# Altium PCB TrackingAntennaControllerPCB.PcbDoc (continued)
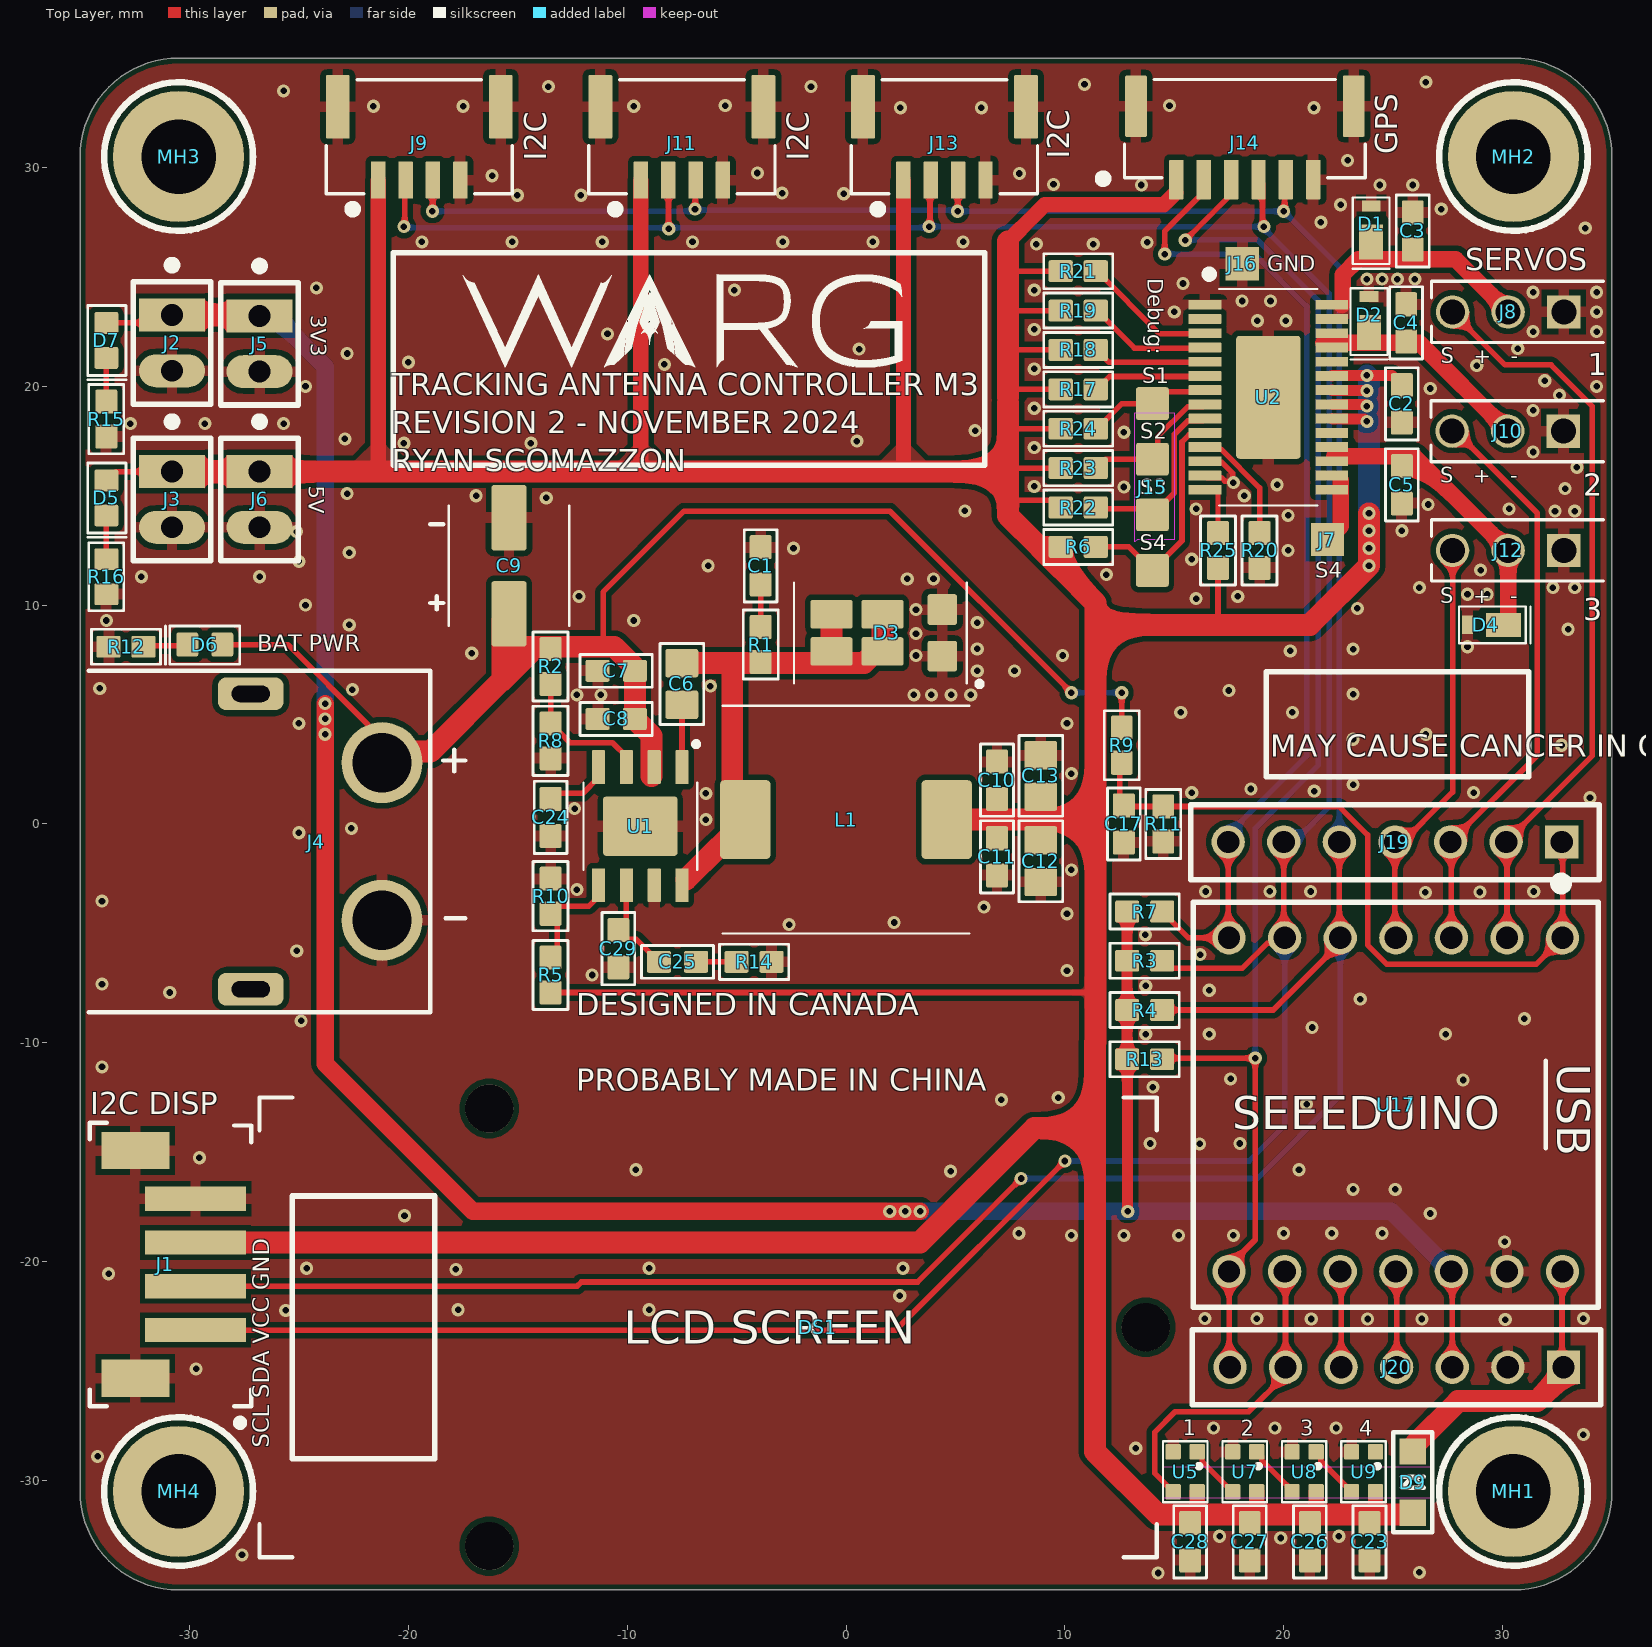
[diagram p0: Top Layer view]
## Footprints (in the part's own frame and the unit in brackets; to place one, negate y for a bottom-side part, rotate by r counter-clockwise, add the part's x,y. Pads: shape width x height; smd on the part's side, far side on the other; paste and mask are expansions set on the pad)
104020208-Footprint-1 [mm]
  round 2.2 hole 2.2 unplated paste-2539.97 mask+0: ""(-10,-10) ""(-10,10) ""(20,0)
  silkscreen extent -20.5,-10.5 20.5,10.5, body extent -20,-10 20,10, height 8.9
114020163-Footprint-1 [mm]
  rect 1.1x4.6 smd: 1(3,0) 2(1,0) 3(-1,0) 4(-3,0)
  rect 1.7x3.1 smd: 5(-5.2,-2.75) 6(5.2,-2.75)
  silkscreen extent -6.48,-4.83 7.37,2.54, body extent -5.97,-4.2 6.03,2.17, height 7.9
7443330470-Footprint-1 [mm]
  rrect15% 2.3x3.6 smd mask+0.05: 1(-4.6,0) 2(4.6,0)
  body extent -5.13,-5 5.13,5, height 9.15
865080642006-Footprint-1 [mm]
  rrect15% 3x1.6 smd mask+0.05: 1(2.2,0) 2(-2.2,0)
  silkscreen extent -2.75,-2.75 2.75,2.75, body extent -2.75,-2.75 2.75,2.75, height 5.5
.CAP_0603-Footprint-1 [mm]
  rrect15% 1.1x1 smd: 1(-0.85,0) 2(0.85,0)
  silkscreen extent -1.65,-0.75 1.65,0.75, body extent -0.87,-0.45 0.87,0.5, height 0.87
.CAP_0805-Footprint-1 [mm]
  rrect15% 1.3x1.5 smd: 1(-0.95,0) 2(0.95,0)
  silkscreen extent -1.85,-1 1.85,1, body extent -1.1,-0.7 1.1,0.75, height 1.39
.LED_0603-Footprint-1 [mm]
  rrect20% 1x1.1 smd: 1(-0.8,0) 2(0.8,0)
  silkscreen extent -1.6,-0.85 1.8,0.9, body extent -0.81,-0.4 0.81,0.4, height 0.6
.RES_0603-Footprint-1#1 [mm]
  rrect15% 1.1x1 smd: 1(-0.8,0) 2(0.8,0)
  silkscreen extent -1.58,-0.8 1.58,0.8, body extent -0.8,-0.4 0.8,0.4, height 0.46
.RES_0603-Footprint-1#2 [mm]
  rrect15% 1x1.1 smd: 1(-0.8,0) 2(0.8,0)
  silkscreen extent -1.55,-0.8 1.55,0.8, body extent -0.8,-0.4 0.8,0.4, height 0.46
.SCHOTTKY-Footprint-1 [mm]
  rect 1.2x1.2 smd: 1(-1.4,0) 2(1.4,0)
  silkscreen extent -2.29,-0.89 2.29,0.89, body extent -1.75,-0.8 1.75,0.8, height 1.03
BLDC_SOLDER_PAD-Footprint-1#1 [mm]
  rect 1.524x1.524 smd: 1(-3.2,-1.5)
BLDC_SOLDER_PAD-Footprint-1#2 [mm]
  rect 1.524x1.524 smd: 1(0,0)
BM06B-GHS-TBT-Footprint-1 [mil]
  rrect10% 26x71 smd paste+0: 1(123.03,91.58) 2(73.82,91.58) 3(24.61,91.58) 4(-24.61,91.58) 5(-73.82,91.58) 6(-123.03,91.58)
  rrect10% 39x110 smd paste+0: 7(-195.87,-40.31) 8(195.87,-40.31)
  silkscreen extent -216,-89 260,95, body extent -212,-84 212,111, height 166
CONN_BM04B-GHS-TBT_JST [mil]
  rrect10% 26x67 smd paste+0: 1(73.82,77.82) 2(24.61,77.82) 3(-24.61,77.82) 4(-73.82,77.82)
  rrect10% 43x114 smd: 5(-146.65,-54.07) 6(146.65,-54.07)
  silkscreen extent -168,-103 168,135, body extent -162,-98 162,97, height 160
CUHS20S30,H3F-Footprint-1 [mm]
  rect 0.85x0.5 smd paste+0 mask+0.05: 1(0,-1.65)
  rect 1.1x1.6 smd paste+0 mask+0.05: 2(0,0)
  silkscreen extent -0.84,-2.03 0.84,1.23, body extent -0.7,-1.76 0.7,0.74, height 0.6
M3HOLE-STANDARD-Footprint-1 [mm]
  round 6 hole 3.4: 1(0,0)
  silkscreen extent -3.4,-3.4 3.4,3.4
PMEG100V060ELPEZ-Footprint-1 [mm]
  rrect15% 1.4x1.34 smd mask+0.05: 1(-1.065,2.83) 1(1.065,2.83)
  rrect15% 1.3x1.93 smd mask+0.05: 2(-0.85,0.095) 2(-0.85,-2.235) 2(0.85,0.095) 2(0.85,-2.235)
  silkscreen extent -2.3,-3.95 2.45,4.64, body extent -2.15,-3.22 2.15,3.45, height 1.09
PPPC021LFBN-RC-Footprint-1 [mm]
  rect 1.508x3.016 hole 1: 1(0,0)
  oval 1.508x3.016 hole 1: 2(2.54,0)
  silkscreen extent -2.41,-1.78 4.06,1.78, body extent -1.52,-1.27 4.06,1.27, height 8.5
PPPC071LFBN-RC-Footprint-1 [mil]
  rect 60x60 hole 40.16: 1(0,300)
  round 60 hole 40.16: 2(0,200) 3(0,100) 4(0,0) 5(0,-100) 6(0,-200) 7(0,-300)
  silkscreen extent -68,-368 68,368
"Seeed Studio XIAO SAMD21 Header Socket-Footprint-1" [mm]
  round 1.524 hole 1.02: 0(-7.625,7.62) 1(-7.625,5.08) 2(-7.625,2.54) 3(-7.625,0) 4(-7.625,-2.54) 5(-7.625,-5.08) 6(-7.625,-7.62) 7(7.625,-7.62) 8(7.625,-5.08) 9(7.625,-2.54) 10(7.625,0) 11(7.625,2.54) 12(7.625,5.08) 13(7.625,7.62)
  silkscreen extent -10.35,-9.25 9.25,9.25
SOLDERPAD_4PIN-Footprint-1 [mm]
  rrect15% 1.5x1.5 smd: 1(0,3.81) 2(0,1.27) 3(0,-1.27) 4(0,-3.81)
TPS4H160AQPWPRQ1-Footprint-1 [mm]
  rrect10% 1.5x0.45 smd mask+0.05: 1(-2.9,4.225) 2(-2.9,3.575) 3(-2.9,2.925) 4(-2.9,2.275) 5(-2.9,1.625) 6(-2.9,0.975) 7(-2.9,0.325) 8(-2.9,-0.325) 9(-2.9,-0.975) 10(-2.9,-1.625) 11(-2.9,-2.275) 12(-2.9,-2.925) 13(-2.9,-3.575) 14(-2.9,-4.225) 15(2.9,-4.225) 16(2.9,-3.575) 17(2.9,-2.925) 18(2.9,-2.275) 19(2.9,-1.625) 20(2.9,-0.975) 21(2.9,-0.325) 22(2.9,0.325) 23(2.9,0.975) 24(2.9,1.625) 25(2.9,2.275) 26(2.9,2.925) 27(2.9,3.575) 28(2.9,4.225)
  rrect10% 2.94x5.62 smd paste-2539.97: 29(0,0)
  silkscreen extent -2.8,-4.95 2.25,5.72, body extent -3.2,-4.85 3.2,4.85, height 1.13
TPS54531DDAR [mm]
  rrect15% 1.55x0.6 smd mask+0.05: 1(-2.7,1.905) 2(-2.7,0.635) 3(-2.7,-0.635) 4(-2.7,-1.905) 5(2.7,-1.905) 6(2.7,-0.635) 7(2.7,0.635) 8(2.7,1.905)
  rrect10% 2.71x3.4 smd mask+0.05: 9(0,0)
  silkscreen extent -3.85,-2.6 2,2.65, body extent -3,-2.45 3,2.45, height 1.7
TSW-101-08-T-T-RA_SAI [mil]
  rect 60x60 / inner round 60 / far side rect 65x65 hole 45 paste-99999 mask+0: 1(0,0)
  round 60 / inner round 60 / far side round 65 hole 45 paste-99999 mask+0: 2(0,-100) 3(0,-200)
  silkscreen extent -55,-238 55,71, body extent -50,-250 50,300, height 348
WS2812B-2020-Footprint-1 [mm]
  rrect15% 0.7x0.7 smd: 1(0.915,-0.55) 2(0.915,0.55) 3(-0.915,0.55) 4(-0.915,-0.55)
  silkscreen extent -1.4,-1.02 1.4,1.02, body extent -1.1,-1 1.1,1, height 0.85
XT60PW-M-Footprint-1 [mm] "XT60PW-M-Footprint-1"
  round 3.7 hole 2.7: 1(3.6,0) 2(-3.6,0)
  rrect50% 1.5x3 hole 0.75 slot 1.75 at 90 deg: MH0(-6.75,6) MH1(6.75,6)
  silkscreen extent -7.8,-2.2 7.8,13.4, body extent -7.75,-1.85 7.75,16.35, height 8.41

## Part data
C1: library part CMP-001-00022-4, "DNP 0603 Capacitor"
C2 C3 C4 C5 C11: library part CMP-00441-1, "CAP CER 4.7UF 16V X7R 0603", Capacitor Type=Ceramic, Case/Package=0603, Temperature Characteristics Code=X7R, Mounting Technology="Surface Mount"
C6: library part CMP-00075-2, "CAP CER 0.1uF 50V X7R 0805", Case/Package=0805, Tolerance=10%, Voltage Rating=50V
C7: library part CMP-00272-1, "CAP0603 X7R 1UF 10% 50V", Capacitance=1uF, Package Size=0603, Temperature Coefficient=X7R, Tolerance=10%, Voltage Rating=50V
C8: library part CMP-00047-4, "CAP CER 0.1uF 50V X7R 0603", Capacitance=100nF, Case Code (Imperial)=0603, Dielectric=X7R, Tolerance=10%, Voltage=50V, Mount="Surface Mount"
C9: library part CMP-001-00008-5, "10 µF 50 V Aluminum Electrolytic Capacitors Radial", Capacitance=10uF, Voltage=50V
C10: library part CMP-001-00003-9, "CAP CER 100nF 16V X7R 0603", Capacitance=100nF, Package=0603, Temperature Coefficient=X7R, Voltage=16V
C12 C13: library part CMP-00241-5, "CAP CER 10UF 25V X7R 0805", Capacitance=10uF, Temperature Coefficient=X7R, Tolerance=10%, Voltage Rating=25V
C17: library part CMP-001-00007-7, "CAP CER 1uF 16V X7R 0603", Capacitance=1uF, Package=0603, Temperature Coefficient=X7R, Voltage=16V
C23 C26 C27 C28: library part CMP-00227-5, "CAP CER 0.1UF 50V X7R 0603", Temperature Coefficient=X7R, Voltage Rating=50V
C24: library part CMP-00050-3, "CAP CER 0.01UF 50V X7R 0603", Capacitance=10nF, Dielectric=X7R, Package=0603, Voltage=50V
C25: library part CMP-001-00082-1, "CAP CER 2200PF 50V C0G/NP0 0603", Capacitor Type=Ceramic, Case/Package=0603, Max Operating Temperature=125°C, Min Operating Temperature=-55°C, Package Shape=Rectangular, Package Style=SMTMeter, Rated DC Voltage (URdc)=50V, Temperature Characteristics Code=C0G, Tolerance  (fill in as +-)=5%, Dielectric Material=Ceramic, Height=0.8mm, JESD-609 Code=e3, Length=1.6mm, Mounting Technology="Surface Mount", Multilayer=Yes, Packaging="Tape and Reel", Pins=2, Reach SVHC Compliant=Yes, RoHS Compliant=Yes, Terminal Finish=Nickel, Termination=Wraparound, Tolerance (fill in as +-)=5%, Width=0.8mm
C29: library part CMP-00246-3, "CAP CER 22PF 50V C0G/NPO 0603", Package=0603, Temperature Coefficient=C0G,NP0, Tolerance=5%, Voltage=50V
D1 D2 D4: library part CMP-001-0008-2, "DIODE SCHOTTKY 30V 2A US2H", Capacitance @ Vr, F="390pF @ 0V, 1MHz", Current - Average Rectified (Io)="2 A", Current - Reverse Leakage @ Vr="500 µA @ 30 V", Voltage - DC Reverse (Vr) (Max)="30 V", Voltage - Forward (Vf) @ If="0.28 V @ 1 A", Speed="Fast Recovery =< 500ns, > 200mA (Io)", Technology=Schottky
D3: library part CMP-00448-3, "PMEG100V060ELPE - 100 V, 6 A low leakage current Schottky barrier rectifier", Current - Average Rectified (Io)=6A, Current - Reverse Leakage @ Vr="100 nA @ 100 V", Voltage - DC Reverse (Vr) (Max)=100V, Voltage - Forward (Vf) (Max) @ If="840 mV @ 6 A", Mounting type="Surface Mount"
D5 D6 D7: library part CMP-001-00018-6, "LED GREEN 2V 0603", Case/Package=0603, Color=Green, Forward Current=20mA, Forward Voltage=2V
D9: library part CMP-004-00018-1, "DIODE SCHOTTKY 30V 1.5A S-FLAT", Average Forward Current=1.5A, Forward Voltage="400mV @ 1.5A", Max Reverse Voltage=30V, Package=SOD-123F
DS1: library part CMP-00026-00000-1, "Grove - OLED Display 0.96\" (SSD1315)", ComponentLink1Description="Documentation links", ComponentLink1URL=https://www.seeedstudio.com/Grove-OLED-Display-0-96-SSD1315-p-4294.html
J1: library part CMP-002-00018-7, "GROVE FEMALE HEADER 20PACK", ComponentLink1Description="Design Resources (datasheet sucks)", ComponentLink1URL=https://www.seeedstudio.com/blog/2022/11/18/seeed-grove-designers-guide-pcb-design-guidelines-and-more/, NOTE="20 PACK, DO NOT ORDER THIS FOR EACH CONNECTOR", Pins=4, Technology="Surface Mount"
J2 J3 J5 J6: library part CMP-002-00003-2, "CONN HEADER 2X1 2.54MM FEMALE VERT TH", Manufacturer="Sullins Connector Solutions", Supplier Part Number=S7035-ND, Manufacturer P/N=PPPC021LFBN-RC, Pitch=2.54mm, Supplier=Digikey
J4: library part CMP-00007-11, "Board Mount XT60PW-M 2 Pin Male Connector", Manufacturer=TME
J7 J16: library part CMP-00052-1, "Solder Pad for BLDC Motor Contorl Output"
J8 J10 J12: library part CMP-070-000000-5, "TSW-101-09-G-T-RA Connector Header Through Hole, Right Angle 3 position", Mfr_Name="Samtec Inc", Design Item ID=TSW-101-08-G-T-RA, RefDes=RefDes, Source=TSW-101-08-G-T-RA.SchLib, Type=Type
J9 J11 J13: library part CMP-082-000000-8, "CONN HEADER SMD 4POS 1.25MM", Mount=Vertical, Pins=4, Type=JST-GH
J14: library part CMP-002-00014-10, "Connector Header Surface Mount 6 position 0.049\" (1.25mm)", Entry Type=Vert, Pins=6, Series=JST-GH
J15: library part CMP-00291-1, "Solder Pad 4 Pin 2.54 mm pitch"
J19 J20: library part CMP-001-0013-8, "CONN HEADER 7X1 2.54MM FEMALE VERT TH", Rated Current (Signal)=3A, Body Breadth=0.094inch, Body Depth=0.334inch, Body Length=0.72inch, Contact Gender=Female, Mating Contact Pitch="0.1inch / 2.51mm", Number of Contacts=7, PCB Contact Pattern=RECTANGULAR, Rows=1, Terminal Length=0.125inch, Terminal Pitch=2.54mm
L1: library part CMP-00450-3, "FIXED IND 4.7UH 13A 9.9 MOHM SMD", Current Rating=13A, DC Resistance (DCR)=9.9mOhm, Inductor Type="GENERAL PURPOSE INDUCTOR", Core Material=Ferrite
MH1 MH2 MH3 MH4: library part CMP-00005-4, "Standard M3 Mounting hole as defined by mech team, see confluence for reasonning", Hole Diam=3.4, Plating Diam=6
R1 R7 R13: library part CMP-009-00018-3, "DNP 0603 Resistor"
R2: library part CMP-00435-1, "RES 665K OHM 1% 1/10W 0603", Case/Package=0603, Resistor Type="FIXED RESISTOR", Tolerance=1%, Working Voltage=75V
R3 R4: library part CMP-009-00019-3, "RES 4.7K OHM 5% 1/10W 0603", Case/Package=0603, Power Rating=100mW, Resistance=4.7k, Resistance Tolerance=5%, Voltage Rating (DC)=50V
R5: library part CMP-009-00043-1, "RES 10.2K OHM 1% 1/10W 0603"
R6 R22 R23 R24: library part CMP-009-00006-5, "RES 10K OHM 1% 1/10W 0603", Package=0603, Power=1/10W, Resistance=10k, Tolerance=1%
R8: library part CMP-00114-2, "RES 130K OHM 1% 1/10W 0603", Case/Package=0603, Power Rating=100mW, Tolerance=1%, Voltage Rating=75V
R9: library part CMP-00169-4, "RES 68K OHM 1% 1/10W 0603", Package=0603, Power=1/10W, Resistance=68k, Tolerance=1%
R10: library part CMP-00437-1, "RES 1.96K OHM 1% 1/10W 0603", Case/Package=0603, Tolerance=1%, Working Voltage=75V
R11: library part CMP-009-00054-3, "RES 10K OHM 1% 1/10W 0603", Package=0603, Power=100mW, Resistance=10k, Tolerance=1%
R12: library part CMP-009-00012-4, "RES 1k OHM 1% 1/10W 0603", Package=0603, Power=1/10W, Tolerance=1%
R14: library part CMP-00433-1, "RES 37.4K OHM 1% 1/10W 0603", Case/Package=0603, Power=100mW, Resistor Type="FIXED RESISTOR", Tolerance=1%, Working Voltage=75V
R15: library part CMP-00022-4, "RES 100 OHM 1% 1/10W 0603", Package=0603, Power=1/10W, Resistance=100Ω, Tolerance=±1%
R16: library part CMP-00103-1, "RES 200 OHM 1% 1/10W 0603", Case/Package=0603, Power Rating=100mW, Resistance=200R, Tolerance=1%, Voltage Rating=50V
R17 R18 R19 R21 R25: library part CMP-009-00017-4, "RES 0 OHM 1% 1/10W 0603", Package=0603, Power=1/10W, Resistance=0Ω, Tolerance=1%
R20: library part CMP-00276-1, "RES 2K OHM 1% 1/10W 0603", Case/Package=0603, Power=100mW, Temperature Coefficient=100ppm/°C, Tolerance=1%
U1: library part CMP-00425-01-5, "IC REG BUCK ADJ 5A 8SOPWR", Case/Package=HLSOP, Max Output current=5A, Max Supply Voltage=28V, Min Input Voltage=3.5V, Surface Mount=Yes
U2: library part CMP-00273-2-5, "IC PWR SWTCH N-CHAN 1:1 28HTSSOP"
U5 U7 U8 U9: library part CMP-00294-4, "LED Neopixel 2mm from LCSC", Max Input Voltage="5.3 V Max"
U17: library part CMP-001-0012-4, "ESP32-C ESP32-C3 Transceiver; 802.11 b/g/n (Wi-Fi, WiFi, WLAN), Bluetooth® 5.x 2.4GHz Evaluation Board", Supply Voltage=5V, ComponentLink1Description=https://mm.digikey.com/Volume0/opasdata/d220001/medias/docus/6209/Seeed%20113991054.pdf

## Via types
v1: diameter 0.6, hole 0.3, Top Layer to Bottom Layer, tented both sides, 286 vias

## Nets (pads, with @x,y where several pads share a name; then routed paths per layer and width w, separated by ;. In a path a pad name is that pad's centre, name@x,y a point inside that pad or via, vN(x,y) a via of type N, cw(c..) or ccw(c..) an arc to the next point about the centre after c; other vN are vias at no path point)
3V3: D7.1 J2.1 J5.1 J20.3 R3.2 R4.2 R7.2 R13.2 U17.11 | length 119.3
  Top Layer w0.254: D7.1 -31.152,22.9 J2.1 ; R13.2@13.173,-10.723 R13.2@13.173,-10.673 ; U17.11 27.705,-20.49 J20.3
  Top Layer w0.5: R7.2 R3.2 R4.2 R13.2 12.862,-10.762 12.862,-17.687 v1(12.875,-17.7)
  Top Layer w0.8: v1(-23.8,5.5) -23.8,-10.955 -17.055,-17.7 v1(2,-17.7) v1(3.386,-17.7)
  Top Layer w1: J2.1 -30.777,23.275 -26.863,23.275 J5.1
  Bottom Layer w0.8: J5.1 -26.046,23.212 -25.692,22.858 -25.692,22.792 -23.8,20.9 v1@-23.8,4.152 ; v1(2,-17.7) 3.4,-17.7 v1(12.875,-17.7) 24.915,-17.7 U17.11
  other v1: 2.7,-17.7 -23.8,4.1 -23.8,4.8
5V0_MAIN: C2.2 C10.2 C11.2 C12.2 C13.2 C23.2 C26.2 C27.2 C28.2 D5.1 D9.1 J1.3 J3.1 J6.1 J9.1 J11.1 J13.1 J14.1 L1.2 R5.2 R6.2 R17.1 R18.1 R19.1 R21.1 R22.2 R23.2 R24.2 R25.1 U2.20 U2.21 U2.22 U2.23 U5.4 U7.4 U8.4 U9.4 | length 300.8
  Top Layer w0.254: D5.1 -33.75,15.7 -33.35,16.1 J3.1 ; R5.2 11.3,-7.7 11.4,-7.8 ; L1.2@4,-0.45 L1.2@4,0.2 ; 7.255,18.245 7.4,18.245 ; 7.305,18.745 7.4,18.745 7.605,18.745 7.4,18.95 ; 7.355,19.245 7.4,19.245 ; 7.374,17.745 7.4,17.745 7.674,17.745 7.509,17.909 ; 7.4,14.4 7.8,14.8 9.474,14.8 R22.2 ; 7.4,16.1 7.562,16.262 R23.2 ; 7.4,18.4 7.555,18.245 7.4,18.245 ; 7.4,21.7 7.438,21.662 R18.1 ; 7.4,23.3 7.562,23.462 R19.1 ; 7.4,25.2 7.462,25.262 R21.1 ; R24.2 7.583,18.062 7.4,18.245 ; R17.1 7.762,19.862 7.4,19.5 ; 17,9.2 R25.1 ; 7.4,19.245 7.4,19.5 ; 7.4,19.245 7.655,19.245 7.4,19.5
  Top Layer w0.5: U2.20 22.225,18.5 23.673,18.5 23.773,18.4 v1(23.8,18.4) ; U2.21 22.202,19.173 23.7,19.173 23.773,19.1 v1(23.8,19.1) ; U2.22 22.206,19.819 23.781,19.819 v1(23.8,19.8) ; U2.23 22.212,20.488 v1@23.788,20.488 ; v1@23.781,20.481 v1@23.788,20.488 ; C2.2 25.4,20.1 25.15,20.35 25.1,20.35 24.95,20.5 v1(23.8,20.5) v1@23.788,20.488
  Top Layer w0.7: -21.375,16.525 J9.1 ; -9.65,16.1 -9.375,16.375 J11.1 ; 2.5,16.1 2.625,16.225 J13.1 ; 7.4,26.615 9.088,28.303 14.525,28.303 J14.1@15.072,28.85 ; C28.2@16,-31.55 16.05,-31.5 U5.4 ; C27.2 C27.2@18.792,-31.608 ; C27.2@18.767,-31.608 18.767,-31.55 U7.4 ; C26.2 21.483,-31.667 U8.4 ; 24.2,-31.15 U9.4
  Top Layer w1: J3.1 J6.1 -9.65,16.1 2.5,16.1 7.4,16.1 ; J1.3 3.375,-19.125 8.6,-13.9 11.379,-13.9 ; L1.2@4,0.2 L1.2 11.4,0.2 ; 7.4,19.245 7.4,18.95 7.4,18.745 7.4,18.4 7.4,18.245 7.4,17.745 7.4,16.1 ; 7.4,19.5 7.4,21.7 7.4,23.3 7.4,25.2 7.4,26.615 ; R6.2 8.838,12.662 ; R6.2@9.862,12.662 9.862,11.638 ; v1(23.9,14.2) v1(23.9,13.4) v1(23.9,12.6) v1(23.9,11.8) 21.2,9.1 11.4,9.1 ; D9.1@25.8,-31.55 24.6,-31.55 18.767,-31.55 16,-31.55 14.25,-31.55 11.379,-28.679 11.379,-13.9 ; 7.4,16.1 7.4,14.4 7.4,14.1 8.838,12.662 ; 8.838,12.662 9.862,11.638 ; 9.862,11.638 11.4,10.1 11.4,9.1 ; 11.379,-13.9 11.379,-9.979 11.4,-9.958 11.4,-9 11.4,-7.8 11.4,0.2 ; 11.4,0.2 11.4,9.1
  Bottom Layer w1: v1(23.8,20.5) 23.9,20.4 v1(23.9,14.2) v1(23.9,13.4) v1(23.9,12.6) v1(23.9,11.8)
5V_SEEDUINO: D9.2 J20.1 U17.13 | length 12.8
  Top Layer w0.254: U17.13@32.72,-20.825 32.72,-25.16 J20.1@32.76,-25.2
  Top Layer w1: D9.2 26,-28.575 26,-28.35 27.975,-26.375 31.585,-26.375 J20.1@32.76,-25.2
BATTERY: C7.2 C8.2 C9.1 D6.1 J4.1 R2.2 R9.2 U1.2 | length 67.5
  Top Layer w0.25: -11.5,8.1 -11.1,8.5 -11.1,10.6 -7.4,14.3
  Top Layer w0.254: D6.1 -25.5,8.2 -21.859,4.559 -21.859,3.459 J4.1 ; -7.4,14.3 2,14.3 v1(10.3,6) ; R9.2 v1(12.6,6)
  Top Layer w1: J4.1 -20.689,3.311 -18.973,3.311 -15.7,6.584 ; C9.1 -15.7,9.3 -15.7,7.514 ; U1.2@-8.885,2.2 -8.885,4.035 C8.2 C7.2 -9.7,7 -9.7,7.205 -10.595,8.1 -11.1,8.1 -11.5,8.1 -13.5,8.1 -14.158,8.1 ; -15.7,6.584 -15.7,7.514 ; -15.7,6.584 -15.7,6.558 -14.158,8.1 ; -15.7,7.514 -15.114,8.1 -14.158,8.1
  Bottom Layer w0.254: v1(10.3,6) v1(12.6,6)
BOOT: C6.2 U1.1 | length 2.9
  Top Layer w0.254: C6.2 -7.495,5.445 U1.1
COMP: C25.2 C29.2 U1.6 | length 4.9
  Top Layer w0.254: U1.6 -10.035,-4.335 -10.552,-4.852 -10.485,-4.852 -10.064,-5.273 -9.577,-5.273 -8.973,-5.877 -8.973,-5.927 -8.6,-6.3 C25.2
D1: J8.3 J19.2 U17.1 | length 34.2
  Top Layer w0.254: J8.3@27.675,23.425 30.12,20.98 32.22,20.98 34.1,19.1 34.1,3.11 J19.2 30.205,-0.865 U17.1
  Bottom Layer w0.254: J19.2@30.14,-1.3 J19.2@30.16,-1.32 ; U17.1@30.16,-5.655 U17.1@30.18,-5.675
D2: J10.3 J19.3 U17.2 | length 26.7
  Top Layer w0.254: J10.3@27.622,18.178 30.857,14.943 31.587,14.213 31.587,3.137 J19.3 27.665,-0.865 U17.2
  Bottom Layer w0.254: J19.3@27.6,-1.3 J19.3@27.62,-1.32 ; U17.2@27.62,-5.655 U17.2@27.64,-5.675
D3: J12.3 J19.4 U17.3 | length 19.2
  Top Layer w0.254: J19.4@25.06,-1.2 27.72,1.46 J12.3 ; J19.4 25.085,-5.16 U17.3
  Bottom Layer w0.254: J19.4@25.06,-1.3 J19.4@25.08,-1.32 ; U17.3@25.08,-5.655 U17.3@25.1,-5.675
D5_R: D5.2 R16.2 | length 2
  Top Layer w0.254: R16.2 D5.2
D6_R: D6.2 R12.2 | length 2
  Top Layer w0.254: R12.2 -32.063,8.137 -30.163,8.137 D6.2
D7_R: D7.2 R15.2 | length 2
  Top Layer w0.254: R15.2 D7.2
D9: J20.5 U17.9 | length 4.4
  Top Layer w0.254: U17.9 22.625,-20.49 J20.5
D10: J20.4 U17.10 | length 4.4
  Top Layer w0.254: U17.10 25.165,-20.49 J20.4
EN: R2.1 R8.2 U1.3 | length 6.5
  Top Layer w0.254: R2.1@-13.5,6.5 -13.5,4.55 -13.127,4.177 -13.077,4.177 -12.612,3.712 -10.672,3.712 -10.035,3.075 U1.3
GND: C1.2 C2.1 C3.1 C4.1 C5.1 C7.1 C8.1 C9.2 C10.1 C11.1 C12.1 C13.1 C17.1 C23.1 C24.1 C26.1 C27.1 C28.1 C29.1 D1.1 D2.1 D3.1 D4.1 J1.4 J1.5 J1.6 J2.2 J3.2 J4.2 J5.2 J6.2 J8.1 J9.4 J9.5 J9.6 J10.1 J11.4 J11.5 J11.6 J12.1 J13.4 J13.5 J13.6 J14.6 J14.7 J14.8 J16.1 J20.2 R8.1 R10.1 R11.1 R12.1 R14.1 R15.1 R16.1 R20.1 U1.7 U1.9 U2.1 U2.12 U2.13 U2.29 U5.2 U7.2 U8.2 U9.2 U17.12 | length 3.5
  Top Layer w0.25: U2.13 16.5,15.825 17.153,15.825 17.311,15.667 v1@17.633,15.667 ; U2.12 16.45,16.525 17.175,16.525 17.675,16.025 17.675,15.625 v1(17.7,15.6)
  Top Layer w0.254: R15.1@-33.8,18.1 R15.1@-33.65,17.95
  other v1: 14.266,-34.227 26.2,-34.2 -27.6,-33.4 19.866,-32.627 17.075,-32.55 22.525,-32.55 -34.2,-28.9 13.241,-28.527 33.7,-27.9 16.8,-27.6 19.6,-27.6 22.4,-27.6 -29.7,-24.9 30.124,-22.65 18.778,-22.605 21.261,-22.62 23.834,-22.62 26.317,-22.62 16.4,-22.6 33.7,-22.6 -25.6,-22.225 -17.725,-22.2 -9,-22.2 2.457,-21.557 -33.7,-20.55 -17.825,-20.35 -24.65,-20.3 -9,-20.3 2.6,-20.303 30.1,-19.1 10.3,-18.8 12.7,-18.8 15.2,-18.8 17.7,-18.8 7.9,-18.7 20,-18.7 22.2,-18.7 24.5,-18.7 -20.175,-17.9 26.7,-17.8 23.175,-16.7 25.1,-16.7 4.784,-15.869 -9.6,-15.8 20.7,-15.8 -29.55,-15.25 16.156,-14.621 13.9,-14.6 18,-14.6 21.05,-12.8 7.1,-12.6 9.7,-12.5 14.025,-12.025 28.2,-11.7 17.575,-11.65 -34,-11.1 13.7,-9.6 16.6,-9.6 27.4,-9.6 21.3,-9.3 -24.9,-9 31,-8.9 23.5,-8 -30.9,-7.7 16.6,-7.6 13.7,-7.4 -34,-7.313 -11.6,-6.9 10.1,-6.7 16.184,-5.969 -25.1,-5.8 13.684,-5.069 -2.6,-4.6 2.2,-4.5 10.1,-4.1 6.3,-3.8 -34,-3.527 26.477,-3.123 28.968,-3.107 16.43,-3.085 19.37,-3.082 21.23,-3.085 31.43,-3.085 -12.3,-3 10.3,-2.1 -25,-0.4 -22.6,-0.2 -6.4,0.2 -12.4,0.7 34,1.2 -6.4,1.4 15.8,1.427 28.684,1.431 21.4,1.5 18.5,1.6 23.175,1.8 10.3,2.3 32.7,3.6 23.175,3.875 26.5,4.1 -25,4.6 10.1,4.6 15.3,5.1 20.4,5.1 -12.3,5.9 -11.2,5.9 3.1,5.9 3.9,5.9 4.8,5.9 5.7,5.9 23.175,5.933 17.5,6.1 -22.557,6.143 -34.1,6.2 -6.2,6.3 6,7 7.7,7 3.2,7.7 9.9,7.7 -17.1,7.8 20.3,7.914 6,8 23.175,7.992 28.4,8.1 3.2,8.7 33,8.9 -22.7,9.1 6,9.2 -33.8,9.3 -9.7,9.3 3.2,9.8 23.37,9.855 -24.7,10 16,10.3 -12.2,10.4 17.9,10.4 28.4,10.5 29.3,10.5 26.2,10.8 32.3,10.8 33.3,10.8 2.8,11.2 4,11.2 -32.2,11.3 -26.8,11.3 11.9,11.4 29,11.6 -6.3,11.8 -25,12 15.8,12.1 -22.7,12.4 20.2,12.5 -2.4,12.6 -25.103,13.362 25.4,13.4 20.2,14.1 32.4,14.3 33.3,14.3 5.431,14.307 16,14.4 30.3,14.4 26.6,14.6 -13.7,14.9 -16.9,15 18.2,15 -22.8,15.1 32.858,15.326 12.7,15.4 8.6,15.427 19.7,15.5 33.4,16.3 31.4,17 8.6,17.2 -20.2,17.4 -14.4,17.4 0.5,17.5 -22.9,17.6 12.7,17.9 5.9,17.975 -32.7,18.3 -29.3,18.3 -25.7,18.3 31.4,18.9 8.6,19 32.6,19.6 26.7,19.9 -24.7,20 34.3,20 31.932,20.254 8.6,20.8 28.825,20.95 -8.3,21 -20,21.1 -22.8,21.5 0.6,21.7 30.7,21.725 -10.9,22.4 31.4,22.5 34.3,22.5 8.6,22.6 18.8,23 20.1,23 15,23.4 34.3,23.4 18.1,23.9 19.4,23.9 31.4,24.3 34.3,24.3 -5.1,24.4 8.6,24.4 -24.2,24.5 15.4,24.7 23.8,24.9 24.5,24.9 25.2,24.9 26,24.9 8.7,26.5 11.3,26.5 13.76,26.575 -19.384,26.6 -15.261,26.6 -11.138,26.6 -7.015,26.6 -2.892,26.6 1.231,26.6 5.354,26.6 33.784,27.231 21.7,27.5 27.2,28.1 22.6,28.3 -15.016,28.731 -12.116,28.731 -0.1,28.8 -2.916,28.831 13.5,29.2 24.4,29.2 25.9,29.2 9.484,29.231 -16.175,29.625 7.925,29.725 -4.05,29.75 22.925,30.325 2.484,32.731 6.184,32.731 21.384,32.731 -21.6,32.8 -17.5,32.8 -9.7,32.8 -5.516,32.831 14.784,32.831 -25.7,33.5 -13.6,33.7 -1.6,33.7 10.9,33.8 26.5,33.9
I2C1_SCL: J1.1 J9.2 J11.2 J13.2 J14.4 J19.6 R3.1 U17.5 | length 151.1
  Top Layer w0.254: J1.1 2.275,-23.125 v1(10,-15.4) ; v1(-20.2,27.3) -20.162,27.337 -20.162,29.386 J9.2 ; J11.2 -8.112,29.411 -8.112,27.212 v1(-8.1,27.2) ; v1(3.8,27.3) 3.837,27.337 3.837,29.386 J13.2 ; R3.1 14.8,-6.6 18.1,-6.6 19.257,-5.443 19.802,-5.443 U17.5 ; J14.4 19.034,29.266 19.034,27.366 v1(19.1,27.3) ; J19.6@19.98,-1.3 20,-1.32 U17.5@20,-5.2
  Bottom Layer w0.254: v1(-20.2,27.3) -20.15,27.25 3.75,27.25 v1(3.8,27.3) v1(19.1,27.3) 19.1,27.206 22.075,24.231 22.075,0.775 20.718,-0.582 20.248,-0.582 J19.6 ; v1(10,-15.4) 18.425,-15.4 20.045,-13.78 U17.5
I2C1_SDA: J1.2 J9.3 J11.3 J13.3 J14.5 J19.5 R4.1 U17.4 | length 151.2
  Top Layer w0.254: J1.2 -12.288,-21.125 -12.093,-20.93 3.27,-20.93 v1(8,-16.2) ; v1(-18.9,28) -18.887,28.013 -18.887,29.411 J9.3 ; v1(-6.9,28.1) -6.887,28.112 -6.887,29.411 J11.3 ; v1(5.1,28) 5.112,28.012 5.112,29.411 J13.3 ; R4.1 19.525,-8.5 22.585,-5.44 U17.4 ; v1(20,28) 20.05,28.05 20.05,29.4 J14.5 ; J19.5@22.52,-1.3 22.54,-1.32 U17.4@22.54,-5.2
  Bottom Layer w0.254: v1(-18.9,28) -7.094,28 -6.994,28.1 -6.944,28.05 5.05,28.05 v1(5.1,28) v1(20,28) 22.545,25.455 J19.5 ; v1(8,-16.2) 18.8,-16.2 22.585,-12.415 U17.4
"NEOPIXEL PWM": J20.6 U5.3 U17.8 | length 14.5
  Top Layer w0.254: U5.3 14.1,-29.665 14.1,-27.8 15.043,-26.857 18.403,-26.857 J20.6@20.04,-25.22 ; U17.8 20.085,-20.49 J20.6
NetC1_1: C1.1 R1.2 | length 2
  Top Layer w0.254: R1.2 C1.1
NetC25_1: C25.1 R14.2 | length 2.2
  Top Layer w0.254: C25.1@-7.15,-6.3 R14.2
NetR25_2: R25.2 U2.14 | length 2.5
  Top Layer w0.25: U2.14 16.9,15.275 17,15.175 R25.2
NetU5_1: U5.1 U7.3 | length 2.5
  Top Layer w0.254: U5.1 16.273,-28.908 16.273,-29.138 17.427,-30.292 17.444,-30.292 17.65,-30.498 U7.3@17.65,-30.515
NetU7_1: U7.1 U8.3 | length 2.6
  Top Layer w0.254: U7.1 18.99,-28.908 18.99,-29.055 20.16,-30.225 20.16,-30.292 U8.3 U8.3@20.45,-30.515
NetU8_1: U8.1 U9.3 | length 2.5
  Top Layer w0.254: U8.1 21.706,-28.908 21.706,-29.121 U9.3
PA_6: C17.2 J19.1 R9.1 R11.2 U17.0 | length 32.4
  Top Layer w0.254: C17.2@12.5,0.85 R9.1@12.5,2.8 ; C17.2@12.6,0.8 14.4,0.8 22.536,0.8 23.835,-0.499 23.835,-5.526 24.709,-6.4 31.545,-6.4 U17.0 32.745,-1.365 J19.1@32.68,-1.3
RX: J14.3 J20.7 R13.1 U17.7 | length 66
  Top Layer w0.254: R13.1@14.45,-10.7 v1(18.7,-10.7) 18.7,-19 17.48,-20.22 U17.7@17.48,-20.825 ; v1(15.5,26.673) 17.397,28.57 17.397,29.247 J14.3 ; U17.7 17.505,-20.825 17.505,-24.785 J20.7
  Bottom Layer w0.254: v1(15.5,26.673) 15.527,26.7 18.8,26.7 21.575,23.925 21.575,2.675 19.254,0.354 18.7,-0.2 18.7,-0.983 v1(18.7,-10.7)
SS: C24.2 U1.4 | length 2.9
  Top Layer w0.254: C24.2@-13.2,1.15 -13.2,1.327 -13.127,1.4 -12.03,1.4 -11.305,2.125 U1.4
SW: C6.1 D3.2 L1.1 R1.1 U1.8 | length 23.6
  Top Layer w1: C6.1 -5.1,7.35 ; U1.8@-7.3,-2.53 -5.87,-1.1 -5.85,-1.1 -5.2,-0.45 -5.2,0.2 -5.2,7.25 -5.1,7.35 ; D3.2@-0.665,7.885 D3.2@-0.665,9.585 ; D3.2@1.665,9.585 1.665,7.885 1.35,7.885 0.815,7.35 -3.9,7.35 -5.1,7.35
TX: J14.2 J19.7 R7.1 U17.6 | length 45.1
  Top Layer w0.254: R7.1 14.5,-4 14.873,-4.373 14.873,-4.423 15.65,-5.2 U17.6 ; v1(14.565,26.045) 14.565,27.093 16.35,28.878 J14.2 ; J19.7@17.44,-1.3 17.46,-1.32 U17.6@17.46,-5.2
  Bottom Layer w0.254: v1(14.565,26.045) 14.566,26.046 18.679,26.046 ; J19.7@17.44,-1.3 J19.7@17.46,-1.32 ; U17.6@17.46,-5.655 U17.6@17.48,-5.675 ; J19.7 17.465,-0.481 21.05,3.104 21.05,23.675 ; 18.7,26 21.071,23.629
U1_IN4: R17.2 U2.6 | length 5.6
  Top Layer w0.254: R17.2 11.462,19.862 12.05,20.45 U2.6@16.8,20.45
U2_CURRENT_LIM_1A: R20.2 U2.11 | length 5.3
  Top Layer w0.254: U2.11 16.498,17.127 17.131,17.127 18.9,15.358 R20.2
U2_IN1: R21.2 U2.3 | length 6.6
  Top Layer w0.25: R21.2 11.462,25.262 14.324,22.4 U2.3@16.8,22.4
U2_IN2: R19.2 U2.4 | length 6.1
  Top Layer w0.25: R19.2 11.462,23.462 13.174,21.75 U2.4@16.8,21.75
U2_IN3: R18.2 U2.5 | length 5.6
  Top Layer w0.25: R18.2 11.462,21.662 12.024,21.1 U2.5@16.8,21.1
U2_ST_CH1: J15.1 R24.1 U2.7 | length 6.1
  Top Layer w0.254: R24.1 11.462,18.062 12.61,19.21 J15.1 14.55,19.76 16.76,19.76 U2.7@16.8,19.8
U2_ST_CH2: J15.2 R23.1 U2.8 | length 6.7
  Top Layer w0.254: R23.1 11.462,16.262 11.87,16.67 J15.2 14.244,16.914 14.244,17.699 15.622,19.077 16.302,19.077 U2.8
U2_ST_CH3: J15.3 R22.1 U2.9 | length 8.5
  Top Layer w0.254: R22.1 11.472,14.402 13.728,14.402 J15.3 15,15.13 15,17.808 15.619,18.427 16.302,18.427 U2.9
U2_ST_CH4: J15.4 R6.1 U2.10 | length 10.7
  Top Layer w0.254: R6.1 12.928,12.662 J15.4 15.354,12.944 15.354,17.462 15.669,17.777 16.302,17.777 U2.10
VOUT_S1_1A: C3.2 D1.2 J8.2 U2.27 U2.28 | length 10.3
  Top Layer w0.75: U2.28@22.65,23.7 22.65,23.75 22.7,23.8 22.7,25.1 23.4,25.8 27.86,25.8 J8.2
VOUT_S2_1A: C4.2 D2.2 J10.2 U2.25 U2.26 | length 10.1
  Top Layer w0.75: U2.25@21.8,22 22.2,22 23.9,22 25.6,22 26.19,22 J10.2
VOUT_S3_1A: C5.2 D4.2 J12.2 U2.17 U2.18 | length 14.5
  Top Layer w0.75: U2.17@22.3,16.8 25.96,16.8 26.53,16.23 ; C5.2 25.52,16.23 26.53,16.23 ; D4.2@30.085,9 30.26,9.175 J12.2 26.53,16.23
VOUT_S4_1A: J7.1 U2.15 U2.16 | length 2.9
  Top Layer w0.75: J7.1 22.6,13.6 22.6,15.25 22.6,15.7
VSENSE: R5.1 R10.2 U1.5 | length 5
  Top Layer w0.254: R10.2 -13.152,-3.752 -11.752,-3.752 -11.478,-3.478 -11.478,-2.973 U1.5 ; R5.1@-13.2,-6.1 R10.2@-13.2,-4.1
pads on no net: DS1. J4.MH0 J4.MH1 MH1.1 MH2.1 MH3.1 MH4.1 U2.2 U2.19 U2.24 U9.1

## Polygon pours and split planes (outlines as drawn)
GND on Top Layer "NONET_L01_P-001" (solid, remove dead copper, pour order 27): -35,-35 -35,35 35,35 35,-35
5V0_MAIN on Top Layer "NONET_L01_P-001" (solid, pour order 30): 10.3,-7.6 11.1,-6.8 11.1,-8.6 10.3,-7.8
VOUT_S1_1A on Top Layer "NONET_L01_P-001" (solid, pour order 29): 22.3,23.1 23,23.1 23,23.8 22.9,23.7 22.3,23.7
5V0_MAIN on Top Layer "NONET_L01_P-001" (solid, pour order 20): -22.789,16.25 -21.248,17.79 -21.1,17.642 -21.1,17.4 -20.051,16.25
5V0_MAIN on Top Layer "NONET_L01_P-001" (solid, pour order 17): 11.2,-12.1 9.9,-13.4 9.9,-14.34 9.879,-14.361 11.2,-15.681
5V0_MAIN on Top Layer "NONET_L01_P-001" (solid, pour order 18): 2.945,17.301 2.301,17.301 1.225,16.225 4.021,16.225
5V0_MAIN on Top Layer "NONET_L01_P-001" (solid, pour order 19): -9.047,17.298 -9.691,17.298 -10.614,16.375 -8.124,16.375
GND on Bottom Layer "NONET_L01_P-001" (solid, remove dead copper, pour order 7): -35,-35 -35,35 35,35 35,-35

## Keep-outs
Top Layer:
  rectangle: 14.5,-30.789 26.8,-29.4
  region: 15,18.8 15,13 13.3,13 13.2,12.9 13.2,18.8

## Silkscreen, mask and mechanical layers (free items; w line width, h text height)
Top Overlay:
  drawing of 20 lines, arcs and shapes, not listed
  text "GPS" at 25.2,30.6 h1 r90
  text "I2C" at 10.2,30.4 h1 r90
  text "I2C" at -13.7,30.3 h1 r90
  text "I2C" at -1.7,30.3 h1 r90
  text "SERVOS" at 28.3,25.3 h1
  text "GND" at 19.25,25.25 h0.7
  text "Debug:" at 13.783,24.95 h0.7 r270
  text "3V3" at -24.45,23.25 h0.7 r270
  text "S   +   -" at 27.168,21.05 h0.7
  text "1" at 33.9,20.5 h1
  text "S1" at 13.531,20.138 h0.7
  text "S2" at 13.443,17.601 h0.7
  text "TRACKING ANTENNA CONTROLLER M3 / REVISION 2 - NOVEMBER 2024 / RYAN SCOMAZZON" at -20.75,15.788 h1.73
  text "S   +   -" at 27.151,15.599 h0.7
  text "5V" at -24.55,15.45 h0.7 r270
  text "S3" at 13.45,15.05 h0.7
  text "2" at 33.7,15 h1
  text "S4" at 13.426,12.502 h0.7
  text "S4" at 21.45,11.25 h0.7
  text "S   +   -" at 27.151,10.099 h0.7
  text "3" at 33.7,9.3 h1
  text "BAT PWR" at -26.9,7.9 h0.75
  text "MAY CAUSE CANCER IN CALIFORNIA" at 19.393,2.728 h1.73
  text "DESIGNED IN CANADA /  / PROBABLY MADE IN CHINA" at -12.332,-12.531 h1.73
  text "I2C DISP" at -34.525,-13.275 h1
  text "SEEEDUINO" at 17.654,-13.946 h1.52
  text "1" at 15.397,-27.925 h0.7
  text "2" at 18.05,-27.95 h0.7
  text "3" at 20.75,-27.95 h0.7
  text "4" at 23.45,-27.95 h0.7
Bottom Overlay:
  drawing of 61 lines, arcs and shapes, not listed

## Text inside footprints (layer, text, board x,y; h text height)
DS1: Top Overlay "SCL SDA VCC GND" at -26.354,-28.498 h0.75 r90; Top Overlay "LCD SCREEN" at -10.164,-23.762 h1.52
U17: Top Overlay "USB" at 32.491,-10.95 h1.5 r270